# KiCad board Lime_RFE_fab.kicad_pcb (continued)
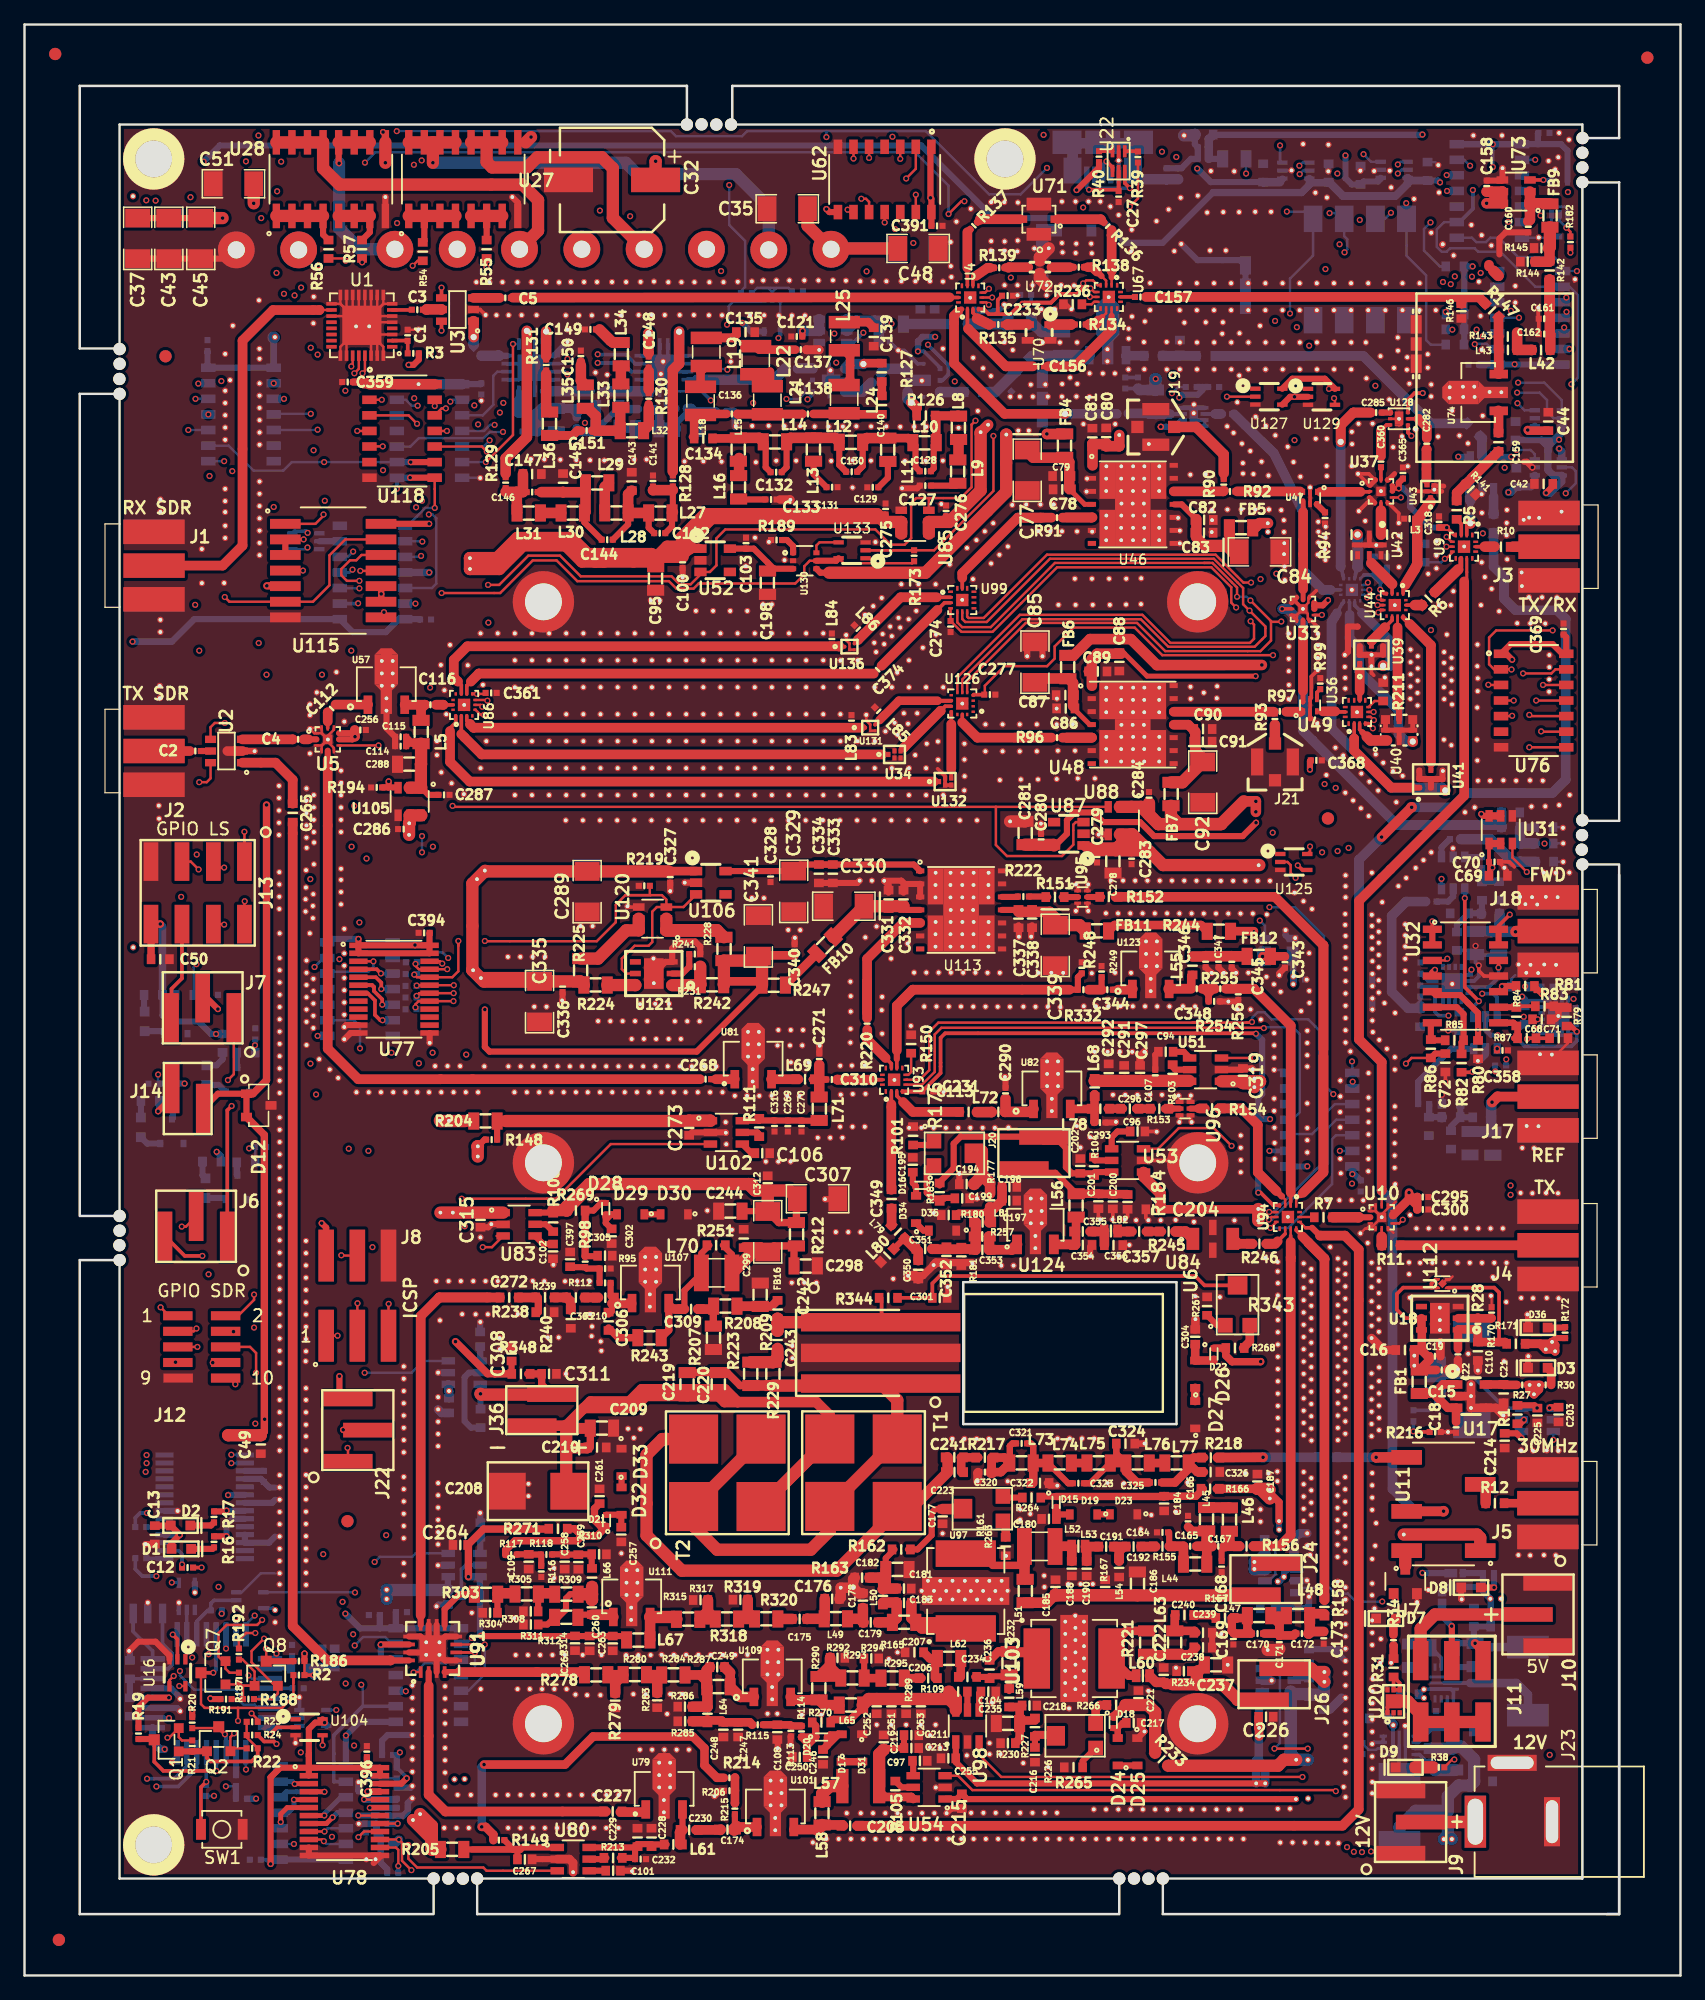
[diagram p0: board, top side]
## Routing (per net, layer and track width the routed paths; a pad name or vN(x,y) marks a point on that pad's centre or on a via; arc(x,y) is an arc through that point) (continued)
  SIG2 w0.2: v1(9.95,42.41) 9.92,42.44 v1(9.92,144.67)
  B w0.2: U13.15 16.88,42.42 v1(16.86,42.44)
VCOM: length 50
  T w0.5: 63.84,142.6 J16.8 71.14,140.69 C48.1 ; v1(41.29,149.83) 40.86,149.4 U27.9 ; v1(29.23,150.24) 29.42,150.05 U28.9 v1(29.42,147.73) ; C37.1 C43.1 C45.1
  T w1: 40.86,149.4 v1(41.29,149.83) ; v1(51.45,147.86) 51.45,147.86 C32.1 ; 65.82,140.75 J16.8 ; 65.82,140.75 J16.8 ; 65.82,140.75 C48.1 ; J16.8 63.84,142.6 C35.1 ; C51.1 v1(18.69,144.43) ; U28.9 v1(29.42,147.73) ; v1(16.15,143.23) C45.1
  SIG2 w0.5: 29.42,150.05 v1(29.23,150.24) 29.42,150.05 ; 29.42,150.05 v1(29.42,147.73)
  PWR w0.5: 41.32,149.02 41.29,149.04 v1(41.29,149.83)
  B w0.5: v1(16.15,143.23) C41.1 C37.1
  B w1: J16.8 65.82,140.75 C47.1
Net-(C1-Pad1): length 2.3
  T w0.3: R3.2 31.24,133.24 29.98,133.24 U1.2
Net-(C2-Pad1): length 0.8
  T w0.5: C2.1 U2.5
Net-(C2-Pad2): length 2.9
  T w0.79: C2.2 J2.1
Net-(C3-Pad1): length 2.8
  T w0.3: C3.1 33.98,135.76 U3.5
  T w0.86: U3.5 33.98,135.78 32.78,135.78 32.76,135.76
Net-(C3-Pad2): length 1.6
  T w0.3: U1.7 31.55,135.74 C3.2
Net-(C4-Pad1): length 1
  T w0.5: 23.14,100.74 U5.2
  T w0.79: C4.1 23.14,100.74
Net-(C4-Pad2): length 4.1
  T w0.79: C4.2 21.85,100.74 U2.3
Net-(C5-Pad1): length 36.3
  T w0.3: 75.41,136.76 75.42,136.75 U4.13
  T w0.79: 75.41,136.76 39.8,136.74
Net-(C5-Pad2): length 2.2
  T w0.79: U3.3 C5.2
Net-(C6-Pad1): length 2
  T w0.3: 117.58,118.31 117.58,118.31 117.58,117.4
  T w0.86: TRANS_VIA#8.1 117.86,118.33
  B w0.5: C6.1 TRANS_VIA#8.1
  B w0.86: 117.86,118.75 TRANS_VIA#8.1
Net-(C6-Pad2): length 2.2
  B w0.5: C6.2 U8.3
  B w0.86: 117.86,120.2 U8.3
Net-(C9-Pad2): length 1.8
  B w0.3: U12.20 C9.2
Net-(C12-Pad2): length 2.6
  T w0.3: C12.2 12.85,33.25 v1(12.85,33.5)
  B w0.3: v1(12.85,33.5) 12.85,34.32 12.55,34.62 U13.2
Net-(C14-Pad1): length 1.6
  B w0.5: U13.17 C14.1
Net-(C17-Pad1): length 1
  B w0.3: C17.1 115.99,21.55 U19.9
Net-(C18-Pad1): length 6.8
  T w0.7: 114.88,47.42 113.72,47.42 FB1.2 ; 114.88,47.42 115.64,48.18 116.71,48.18 U17.1 ; 114.88,47.42 116.03,46.26 U17.3 116.71,46.24 C18.1
Net-(C21-Pad2): length 2.5
  T w0.7: R27.2 120.6,48.13 120.56,48.16 U17.5
Net-(C24-Pad1): length 2
  B w0.2: U21.9 110.31,18.5 110.2,18.39 109.57,18.39 109.08,18.88 C24.1
Net-(C26-Pad2): length 17.4
  B w0.3: U21.6 113.37,18.5 R32.1 ; 116.44,18.5 R36.2
  B w1: C26.2 118.18,17.6 117.12,18.65 R36.2 116.44,18.5 R32.1 ; C26.2 117.84,15.48 ; C26.2 117.84,15.48 ; 117.84,15.48 116.91,15.48 116.03,14.6 R37.2 113.42,13.42 112.1,12.1 L2.1
Net-(C27-Pad1): length 21.9
  T w0.3: 89.09,145.54 C27.1 ; 89.09,145.54 C27.1 ; 89.09,145.54 v1(86.78,145.54) ; C27.1 U22.5 89.2,145.55
  SIG1 w0.2: v1(86.78,145.54) 87.5,146.25 98.98,146.25 v1(99.59,146.86)
  B w0.2: 86.6,145.72 v1(86.78,145.54) ; FB3.1 v1(99.59,146.86)
  B w0.3: v1(86.78,145.54) 86.6,145.72 CON1.1
Net-(C31-Pad1): length 14.7
  B w0.86: 85.44,147.02 85.44,148.87 84.99,149.32 90.81,149.32 90.36,148.87 90.36,147.02 91,146.38 C31.1 R41.1
Net-(C52-Pad1): length 3.5
  B w0.5: R70.1 117.05,69.94 R67.2 ; R73.1 116.3,69.21 C52.1
Net-(C53-Pad1): length 3.6
  B w0.6: R71.1 123.11,93.59 R68.2
  B w0.86: 121.93,93.46 R74.1 121.93,92.26 C53.1
Net-(C54-Pad1): length 4.1
  B w0.5: C54.1 116.78,85.61 R72.1 118.78,86.56 118.82,86.6 R75.1
  B w0.86: 118.73,86.56 R69.2
Net-(C55-Pad1): length 2.1
  B w0.5: R73.2 114.55,69.95 114.52,69.98 C58.1
Net-(C56-Pad1): length 6.8
  B w0.86: C59.1 119.48,92.61 121.33,90.76 R74.2 121.93,90.77 C56.1
Net-(C57-Pad1): length 2.5
  B w0.5: 118.83,89.15 118.83,89.14 C60.1 ; 118.83,89.15 R75.2 ; 118.83,89.15 C57.1
Net-(C58-Pad2): length 7.5
  B w0.5: U30.3 116.31,75.53 113.62,72.83 C58.2
Net-(C59-Pad2): length 1.7
  B w0.5: C59.2 116.19,92.61 115.52,91.93 U29.1
Net-(C60-Pad2): length 1.4
  B w0.5: U29.3 117.44,91.14 C60.2
Net-(C61-Pad1): length 4.6
  B w0.3: 116.06,87.52 116.47,87.93 U29.5
  B w0.4: 116.06,87.52 116.47,87.93 U29.5
  B w0.5: U29.5 116.47,87.93 116.06,87.52 C61.1
Net-(C61-Pad2): length 13.5
  B w0.3: C63.1 113.78,79.78 R76.1
  B w0.79: C61.2 112.63,87.52 111.46,86.36 111.46,80.16 112.79,78.83 R76.1
  B w0.86: R76.1 113.78,79.01
Net-(C62-Pad1): length 5
  SIG2 w0.5: v1(120.11,76.63) 120.8,75.95 v1(120.8,74.66)
  B w0.3: v1(120.8,74.66) 120.79,74.66 C62.1
  B w0.4: v1(120.11,76.63) 119.54,76.63 119.1,77.06 U30.5
Net-(C62-Pad2): length 18.3
  T w0.2: v1(122.34,80.6) 122.34,80.61
  SIG1 w0.2: 125.86,79.07 125.86,78.24
  SIG1 w0.3: 125.86,79.07 124.33,80.6 v1(122.34,80.6) ; 125.86,79.07 125.86,78.24 ; 125.86,79.07 125.86,74.84 124.7,73.68 v1(119.9,73.68)
  B w0.2: C65.1 123.66,80.59 R77.1 122.35,80.59 v1(122.34,80.6) ; v1(119.9,73.68) 119.89,73.69 C62.2
Net-(C63-Pad2): length 1.3
  B w0.3: C63.2 113.93,80.55 IC1.2
Net-(C64-Pad2): length 1.4
  B w0.3: C64.2 114.4,81.05 IC1.3
Net-(C65-Pad2): length 1.1
  B w0.2: C65.2 124.83,80.33 IC2.2
Net-(C66-Pad2): length 1.1
  B w0.2: C66.2 125.33,80.45 IC2.3
Net-(C67-Pad2): length 1
  B w0.3: C67.2 116.64,78.84 IC1.14
Net-(C68-Pad2): length 0.7
  T w0.2: C68.2 v1(123.36,77.93)
  B w0.2: v1(123.36,77.93) 123.36,77.93 IC2.14
Net-(C73-Pad2): length 1.4
  B w0.3: U45.2 97.07,127.26
  B w0.79: 97.07,127.26 C73.2
Net-(C76-Pad1): length 4.6
  B w0.3: 90.18,127.26 90.1,127.34 ; U45.7 93.4,127.26 93.39,127.25
  B w0.5: C76.1 89.99,127.31
  B w0.79: 89.99,127.31 L4.2 ; 92.26,127.25 93.39,127.25
  B w0.86: L4.2 92.26,127.25
Net-(C77-Pad1): length 10.3
  T w0.4: 85.17,121.15 86.43,119.89 87.07,119.89
  T w0.5: FB4.2 85.31,123.21 C79.1
  T w0.86: 81.62,124.3 82.23,123.7 84.8,123.7 85.17,123.34 85.17,121.15
Net-(C82-Pad1): length 12.5
  T w0.5: 95.54,118.69 94.34,119.89 93.74,119.89
  T w0.7: FB5.2 98.22,116.69 99.03,115.88 98.4,116.51 98.07,116.51
  T w0.86: 95.54,118.69 95.54,117.19 96.21,116.51 96.35,116.51 ; 98.24,118.03 98.24,116.73
  T w1: 98.71,115.87 98.07,116.51 96.35,116.51
Net-(C85-Pad1): length 10.8
  T w0.2: 86.84,101.94 85.43,103.35
  T w0.4: 85.43,103.35 86.84,101.94 87.07,101.94
  T w0.5: FB6.2 85.6,105.13 C87.1
  T w0.86: 82.64,105.42 82.91,105.7 85.11,105.7 85.48,105.34 85.48,103.46
Net-(C90-Pad1): length 10.1
  T w0.5: C92.1 95.31,99.64 C91.1
  T w0.79: 95.45,101.36 94.88,101.93 93.69,101.93
  T w0.86: 96.42,98.87 95.45,99.83 95.45,101.36
  T w1: C92.1 94.39,97.24 FB7.2
Net-(C93-Pad1): length 1.3
  B w0.5: C93.1 100.74,31.23
Net-(C94-Pad1): length 1.5
  T w0.5: C94.1 94.51,75.28 94.99,74.8
Net-(C96-Pad1): length 2.6
  T w0.5: C96.1 89.1,68.79 88.63,68.31 U53.4
Net-(C97-Pad1): length 1.2
  T w0.5: C97.1 72.45,17.44 U54.4
Net-(C98-Pad1): length 1.5
  B w0.5: C98.1 104.33,25.01 U55.4 103.59,25.08
Net-(C99-Pad1): length 1.2
  B w0.5: 37.15,51.15 37.2,51.2 ; C99.1 37.15,51.25 U56.4
Net-(C101-Pad1): length 1.4
  T w0.5: U80.4 46.04,8.54 C101.1
Net-(C102-Pad1): length 1.7
  T w0.5: C102.1 42.28,59.61 U83.4
Net-(C103-Pad1): length 5.8
  T w0.5: U130.3 61.08,114.65 59.45,116.28 C103.1 58.82,116.29 U52.5
Net-(C104-Pad1): length 1.8
  T w0.5: 77.82,22.98 C104.1 77.82,22.98 ; 77.82,22.98 U98.4
Net-(C105-Pad1): length 1.3
  B w0.5: U100.4 37.16,34.42 C105.1
Net-(C106-Pad1): length 1.3
  T w0.5: U102.4 59.26,67.02 C106.1
Net-(C107-Pad1): length 10.4
  T w0.5: C107.1 92.13,72.97 C297.1
  T w0.6: 93.6,72.94 93.66,72.87 U51.6
  T w1: 94.95,72.91 87.25,72.91 87.24,72.91
Net-(C108-Pad1): length 4.3
  T w0.5: C108.1 61.42,20.38 R113.2 62.52,20.33
  T w0.6: R115.2 C108.1 62.42,20.43 R113.2 62.52,20.33 R114.1
Net-(C109-Pad1): length 2.9
  T w0.5: R116.2 42.12,34.28 R118.2 41.12,34.31 C109.1 40.15,34.32 R117.1
Net-(C110-Pad1): length 15.1
  T w0.2: U112.1 U112.1
  T w0.3: U112.1 119.81,56.06 120.21,55.66 120.21,51.62
  T w0.7: R171.2 120.69,51.62 C110.1 R28.2 116.93,52.66 U18.1 116.86,52.59 C22.1
Net-(C112-Pad2): length 2.6
  T w0.79: U57.1 27.98,103.58 C112.2
Net-(C114-Pad1): length 9.8
  T w0.5: U105.1 32.36,96.79 U105.1 ; U105.1 32.31,96.84 32.93,96.22 C287.1 ; 31.32,100.39 C114.1 C115.1 31.67,100.39 L5.1 31.32,100.39
  T w1: 32.31,96.84 C288.1 32.33,98.73 L5.1 ; U105.2 U105.1
Net-(C116-Pad1): length 3.1
  T w0.79: 32.62,103.54 C116.1 ; C116.1 32.33,103.25 L5.2 ; C116.1 U57.3
Net-(C117-Pad2): length 1.9
  T w0.86: U3.1 36.61,134.8 TRANS_VIA#14.1
  B w0.86: 36.62,132.92 36.61,132.92 TRANS_VIA#14.1
Net-(C118-Pad1): length 3.8
  B w0.5: 46.06,129.11 C118.1 ; U58.9 42.76,129.11
  B w0.86: 42.76,129.11 46.06,129.11
Net-(C118-Pad2): length 4.2
  B w0.5: C118.2 46.99,129.11 47.47,129.11 ; U59.4 50.65,129.11
  B w0.86: 50.65,129.11 47.47,129.11
Net-(C119-Pad1): length 9.8
  B w0.4: 61.12,130.06 62.04,130.98 C119.1 ; 54.85,130.06 54.04,130.06
  B w0.86: C119.1 62.04,130.98 61.12,130.06 54.85,130.06
Net-(C119-Pad2): length 1.2
  B w0.86: U61.6 63.05,130.97
Net-(C120-Pad1): length 2.3
  B w0.86: 69.81,130.58 70.18,130.95 U63.3
Net-(C120-Pad2): length 2.5
  B w0.86: 69.04,129.81 68.3,129.07 U61.3
Net-(C122-Pad1): length 1.5
  B w0.79: C122.1 89.82,132
  B w0.86: 89.82,132 89.82,132
Net-(C122-Pad2): length 4.2
  B w0.5: 94.1,132 R120.2
  B w0.79: C122.2 94.1,132 ; R119.1 92.79,131.99
  B w0.86: 92.79,131.99 C122.2
Net-(C123-Pad1): length 7
  B w0.4: FB8.2 69.29,135.04 68.5,135.04
  B w0.86: 67.04,134.09 67.81,134.86 69.3,134.86 69.58,134.58 FB8.2 69.65,134.48 C123.1 ; U65.1 U65.2
Net-(C124-Pad2): length 8.5
  B w0.2: C125.2 79.07,134.74 C124.2 77.9,134.59 R121.1
  B w0.86: 79.84,134.59 R121.1 79.99,134.59 L6.1
Net-(C126-Pad1): length 4.9
  B w0.79: R124.2 80.84,130.75 C126.1
  B w0.86: C126.1 80.85,130.75 79.14,129.04 R125.2
Net-(C126-Pad2): length 6.9
  B w0.86: U66.3 84.57,132.05 L7.2 ; 86.83,132 82.15,132
Net-(C127-Pad1): length 2.3
  T w0.5: L9.2 75.89,121.42 C127.1
Net-(C128-Pad1): length 10.4
  T w0.5: 68.24,125.08 68.39,125.22 ; L10.1 72.64,124.71 72.64,122.94 C128.1 ; 68.33,123 C130.2 68.33,123 ; 68.33,123 L12.2
  T w0.7: L10.1 72.05,125.3 L11.1
  T w0.86: L12.2 68.66,125.3 L11.1
Net-(C128-Pad2): length 9.2
  T w0.5: 74.17,124.97 74.39,125.18 ; L10.2 74.12,124.72 74.12,122.83 C128.2
  T w0.7: 74.33,127.03 R126.1 ; 74.33,127.03 R126.1 ; 74.33,127.03 L10.2 74.23,125.02 ; R126.1 74.27,127.09 L8.1 76.11,127.12 R126.1
  T w0.86: 76.11,127.12 L8.1
Net-(C129-Pad1): length 2.4
  T w0.5: C129.1 70.38,122.06 L11.2
Net-(C130-Pad1): length 10.8
  T w0.5: 62.08,125.15 62.19,125.25 ; 66.42,123.12 C130.1 66.42,123.12 ; 66.42,123.12 L12.1 ; C132.2 62.13,122.92 L14.2
  T w0.86: L14.2 62.45,125.32 L13.1 66.07,125.32 L12.1
Net-(C131-Pad1): length 2.6
  T w0.5: C131.1 64.32,122.35 L13.2
Net-(C132-Pad1): length 7.3
  T w0.5: 56.08,125.18 56.3,125.39 ; L14.1 60.42,124.8 60.42,122.92 C132.1
  T w0.7: L15.1 58.15,125.27 C134.2
  T w0.86: L14.1 59.9,125.32 L15.1
Net-(C133-Pad1): length 2.2
  T w0.5: C133.1 58.25,120.29 L16.2
Net-(C134-Pad1): length 4.9
  T w0.5: 54.58,125.2 54.39,125.39
  T w0.7: 54.59,127.02 54.84,127.26 ; C134.1 54.59,126.66 L18.1 55.19,127.26 C136.2
Net-(C135-Pad1): length 5
  T w0.5: 57.75,133.46 57.76,133.47
  T w0.7: 57.75,133.46 57.76,133.47 ; 57.75,133.46 58.03,133.74 C135.1 ; 57.75,133.46 L19.2 57.75,133.46
Net-(C136-Pad1): length 10.7
  T w0.7: 60.78,127.26 60.77,127.26 60.77,127.26 C136.1 58.14,127.23 L21.1 63.39,127.23 C138.2 60.78,127.26
  T w0.86: 60.7,127.26 60.71,127.28
Net-(C137-Pad1): length 3.3
  T w0.7: L22.2 59.89,132.5 C137.1
Net-(C138-Pad1): length 5.6
  T w0.7: C140.2 66.91,127.24 L24.1 66.76,127.26 C138.1
Net-(C139-Pad1): length 2.6
  T w0.7: L25.2 68.77,134.74 C139.1
Net-(C140-Pad1): length 1.2
  T w0.7: C140.1 69.89,129.89 R127.2
Net-(C141-Pad1): length 6.1
  T w0.5: 51.24,121.05 51.23,121.06 C141.1 ; R128.2 52.85,119.26 L27.2 52.79,118.1 C142.2
  T w0.86: 52.85,119.26 L27.2 ; 51.23,121.04 51.24,121.05 52.85,121.05
Net-(C142-Pad1): length 8.2
  T w0.5: L28.2 49.21,118.27 C144.2 ; L27.1 50.88,118 C142.1
  T w0.86: C143.1 49.21,120.72 L28.2 49.22,119.19 L27.1
Net-(C144-Pad1): length 10.9
  T w0.5: C144.1 45.65,118.42 L30.2 ; C145.1 41.84,120.9 C146.2
  T w0.86: L30.2 45.73,119.28 45.73,120.88 ; 45.73,120.88 L29.1 ; 45.73,120.88 43.92,120.88 C145.1 43.89,120.89 42.13,120.89
Net-(C146-Pad1): length 8
  T w0.5: 40.61,120.91 40.61,122.34 C147.1 40.63,121.19 C146.1 ; R129.1 39.22,120.91
  T w0.86: 40.13,120.91 40.61,120.91 40.63,120.89 C147.1 ; 40.13,120.91 40.13,119.21 L31.1 ; 40.13,120.91 39.22,120.91
Net-(C148-Pad1): length 5.5
  T w0.5: 50.88,126.32 L32.2
  T w0.7: 50.88,126.32 L32.2 50.88,126.32 ; 50.88,126.32 C148.1
  T w0.86: L32.2 50.88,126.32 50.88,127.75
Net-(C148-Pad2): length 3.6
  T w0.5: R130.2 C148.2
  T w0.86: 50.88,130.74 50.88,129.25
Net-(C149-Pad1): length 4.7
  T w0.5: C149.1 47.65,133.09 L34.2
  T w0.86: 46.88,134.15 47.95,133.09 L34.2
Net-(C150-Pad1): length 3.8
  T w0.7: L35.2 45.35,129.99 C150.1
  T w0.86: L35.2 45.35,129.99 45.35,131.22
Net-(C151-Pad1): length 5.2
  T w0.7: 44.68,125.51 45.07,125.9 ; 44.68,125.51 45.07,125.9 ; 44.68,125.51 L36.2 44.68,125.51 ; 45.07,125.9 C151.1
Net-(C151-Pad2): length 8.5
  T w0.7: L32.1 C151.2
  T w0.86: L33.1 48.56,127.75 L32.1 46.57,125.9 46.57,127.09 45.95,127.72 L35.1
Net-(C152-Pad1): length 10.8
  B w0.5: 54.34,127.71 53.02,126.39 L37.1
  B w0.7: L37.1 52.99,126.06 L38.2 51.72,127.34 51.4,127.66 C153.2
  B w0.79: 54.62,127.43 54.34,127.71 R132.2 ; 54.62,127.43 56.04,127.43 ; 54.62,127.43 C152.1
  B w1: L38.2 51.75,126.08 L37.1
Net-(C153-Pad1): length 9.2
  B w0.5: 46.41,125.8 46.56,125.95 ; 46.26,125.8 L39.1 46.75,126.11 48.35,127.71 L40.2 48.52,127.66 49.71,127.66 49.66,127.61 48.47,127.61
  B w0.7: L40.2 48.52,127.66 C153.1 ; L39.1 46.26,125.8 45.13,125.8 45.01,125.92 C154.2
Net-(C154-Pad1): length 12.8
  B w0.5: 45.42,127.71 45.01,127.3 ; 42.2,127.72 41.83,127.35 R133.1
  B w0.7: 45.42,127.71 45.01,127.3 44.6,127.72 L41.1 46.55,127.72 L40.1 45.42,127.71 ; 45.42,127.71 45.02,127.71 45.01,127.72 C154.1 ; C155.1 41.8,125.83
  B w0.86: 41.8,125.83 41.8,127.32 42.2,127.72 L41.1
Net-(C156-Pad2): length 19.4
  T w0.2: 88.62,134.13 85.64,131.14 85.64,131.08 85.7,131.14 85.72,131.14 C156.2 ; U67.10 88.62,135.25
  T w0.5: 88.62,134.13 85.64,131.14 ; 88.62,135.25 88.62,134.75
  T w0.79: 83.44,131.14 85.64,131.14 88.62,134.13 88.62,134.75
Net-(C157-Pad1): length 1.2
  T w0.3: U67.13 C157.1
Net-(C159-Pad1): length 1.8
  T w0.79: C159.1 120.16,127.51
  T w0.86: 120.16,127.51 120.15,127.52
Net-(C160-Pad1): length 4.1
  T w0.86: FB9.2 124.31,144.43 U73.1 ; C160.1 122.73,143.1 U73.1 ; U73.1 U73.2
Net-(C161-Pad2): length 9
  T w0.86: C161.2 C162.2 124.38,133.73 L42.1 ; C161.2 124.34,136.29 124.33,136.31 R142.1 124.34,138.19 C161.2
Net-(C164-Pad1): length 3.8
  T w0.5: 94.48,34.98 94.48,34.98 ; 93.33,34.98 93.32,34.97 93.32,36.11
  T w0.79: 94.48,34.98 93.33,34.98 ; L44.2 94.48,34.98
Net-(C165-Pad1): length 5.9
  T w0.5: 96.39,34.59 96.78,34.98 ; 96.34,36.26 L45.2
  T w0.7: C166.1 95.18,36.23 L45.2
  T w0.79: L44.1 96.39,34.59 ; 95.57,34.98 96.78,34.98
  T w0.86: 96.78,34.98 96.37,35.39 L45.2
Net-(C167-Pad1): length 3.8
  T w0.5: 97.87,34.98 97.59,34.71 97.59,33.87
  T w0.79: 97.87,34.98 99.08,34.98
  T w0.86: 97.87,34.98 98.22,35.34 L46.1
Net-(C169-Pad1): length 5.6
  T w0.7: 98.42,28.1 98.65,27.86 99.97,27.86 99.69,28.14 L47.2 99.5,29.13 98.42,29.13 98.42,28.1
Net-(C170-Pad1): length 7.7
  T w0.7: 102.3,27.71 102.14,27.86 101.06,27.86 ; 102.3,27.71 103.44,27.71 103.59,27.86 ; 102.3,27.71 102.3,28.63 L47.1 L48.2 102.81,29.33 102.3,28.81 102.3,27.71
Net-(C172-Pad1): length 4.1
  T w0.79: 105.97,29.49 104.93,29.49 ; 105.92,28.03 104.85,28.03
  T w0.86: 104.93,29.49 L48.1 104.77,27.95 104.68,27.86 104.85,28.03
Net-(C174-Pad1): length 3.3
  T w0.5: 57.85,11.89 57.91,11.95 R215.1
  T w0.79: U101.1 58.06,12.1
  T w1: 58.06,12.1 57.85,11.89 57.91,11.95
Net-(C175-Pad1): length 3.1
  T w0.86: C175.1 63.8,29.07 L49.2 65.24,29.11 C176.1
Net-(C177-Pad2): length 6.9
  T w0.5: 72.02,34.72 72.79,34.72 73.95,35.88 73.95,37.71 74.25,38.01 C177.2
  T w0.86: R161.2 76.48,38.01 C177.2
Net-(C178-Pad1): length 2.6
  T w0.86: L49.1 68.1,29.07 C179.2 68.34,28.82 C178.1
Net-(C179-Pad1): length 4
  T w0.86: 69.98,30.39 71.08,30.39 C183.2 71.1,29.12 R165.2 C179.1
Net-(C180-Pad1): length 2.8
  T w0.5: D19.2 84.28,37.57 84.1,37.39 D15.2
  T w0.7: D15.2 84.12,38.07 C180.1
Net-(C181-Pad1): length 6.3
  T w0.5: C182.2 70.21,34.01 70.93,34.72
  T w0.86: 70.21,31.92 69.71,32.42 R163.2 ; 70.21,31.92 70.21,31.72 69.98,31.48 70.02,31.53 C181.1 ; 70.21,31.92 C182.2
Net-(C183-Pad1): length 10.3
  T w0.86: R165.1 73.16,28.28 U97.1 76.24,28.78 R165.1 ; R165.1 72.3,29.14 C183.1
Net-(C184-Pad1): length 13.6
  T w0.5: R264.2 82.94,39.04 D15.1 84.1,39.04 ; 83.97,39.03 83.98,39.04
  T w0.6: 96.11,39.66 95.51,39.06 C184.1 ; D15.1 92.88,39.04
  T w0.7: 92.88,39.04 C184.1
Net-(C185-Pad2): length 35.6
  T w0.5: C186.1 90.79,31.04 100.42,31.04
  T w0.86: C186.1 90.65,31.06 R167.1 C185.2 83.37,30.38 L51.1
  T w1: 100.42,31.04 100.36,30.98 C186.1 84.13,30.98 C185.2
Net-(C187-Pad1): length 33.2
  T w0.6: GND_VIA#255.1 102.27,38.57 101.18,39.66 97.2,39.66
  T w0.7: C187.1 100.51,39.66 97.2,39.66
  T w1: GND_VIA#631.1 101.42,39.66 C187.1 100.73,39.66 GND_VIA#632.1
  PWR w0.5: GND_VIA#252.1 100.26,35.02 GND_VIA#255.1 102.27,36.34 GND_VIA#254.1 ; GND_VIA#252.1 100.26,34.31 100.79,34.84 ; GND_VIA#252.1 GND_VIA#253.1 100.56,33.43 ; 100.79,34.84 100.79,33.66 100.56,33.43 ; 100.79,34.84 GND_VIA#254.1 ; 100.56,33.43 100.56,35.01 101.89,36.33 GND_VIA#254.1
  B w0.5: 101.1,34.25 101.12,34.23 U50.6 ; GND_VIA#255.1 102.28,37.02 GND_VIA#254.1 ; 101.52,39.56 GND_VIA#631.1
  B w1: 100.56,33.7 101.1,34.25 ; 100.56,33.7 101.1,34.25 ; 100.56,33.7 GND_VIA#252.1 ; 101.1,34.25 101.1,33.12 U50.6 100.29,33.1 GND_VIA#253.1
Net-(C188-Pad1): length 2.6
  T w0.5: 84.03,34.98 L52.1 ; 85.38,34.98 L53.2
  T w0.79: C188.1 85.38,34.98 ; L53.2 84.03,34.98
Net-(C189-Pad2): length 2.8
  B w0.3: C189.2 21.81,25.1 FB2.1 20.02,25.01 U12.18
Net-(C190-Pad1): length 2.4
  T w0.5: 86.49,34.95 L53.1 86.59,34.85
  T w0.79: C191.2 86.49,34.95 ; C190.1 86.59,34.85
Net-(C191-Pad1): length 3.8
  T w0.5: 89.24,33.77 89.24,34.5 C191.1 ; 89.24,34.38 C192.2 89.81,34.95
  T w0.79: 89.81,34.95 C191.1 ; 89.24,33.77 89.24,34.38
Net-(C194-Pad2): length 9.8
  T w0.5: C194.2 77.79,64.89 78.6,64.89 ; 78.58,63.78 78.6,63.79 ; 78.72,64.59 78.05,65.26
  T w0.86: 78.05,65.26 78.72,64.59 78.72,63.72
  T w1: 78.63,64.67 78.05,65.26 78.05,67.18 78.05,65.14 C194.2
Net-(C195-Pad1): length 2
  T w0.5: C195.1 72.42,64.58 D16.2 72.68,64.32 D34.2
Net-(C196-Pad1): length 12.4
  T w0.5: 78.08,62.16 78.25,62.16 78.72,62.63 78.65,62.57 78.65,61.38 ; 78.08,62.16 76.13,62.16 ; 78.08,62.16 76.13,62.16 R180.2 ; R177.2 79.02,62.43 79.76,63.17 79.76,64.27
  T w0.79: R177.2 78.96,62.43 C197.1 79.69,63.16 C196.1
  T w0.86: 78.65,61.38 78.72,61.44 78.72,62.63
Net-(C199-Pad1): length 4.6
  T w0.5: 75,63.34 74.99,63.32 74.02,63.32 73.55,63.79 D16.1 73.55,65.77 ; C199.1 75.81,63.37 74.85,63.37
Net-(C200-Pad2): length 11.7
  T w0.5: 87.53,63.71 87.56,63.67 89.9,63.67 R184.1 ; 88.65,63.74 C200.2 88.7,63.7 ; L56.1 84.03,65.42 81.49,65.42
  T w0.7: R184.1 89.9,63.67 C200.2 88.7,63.7 C201.2 87.53,63.71 L56.1
Net-(C202-Pad1): length 19.2
  T w0.5: 74.6,64.38 74.6,64.65 75.75,65.8 75.75,67.79 76.32,68.36 82.69,68.36 83.09,67.96 84.38,67.96 84.9,67.44 84.9,65.87 85.4,65.37 C202.1 87.16,65.37 87.26,65.48 U53.6
Net-(C205-Pad2): length 4.2
  T w0.79: 66.76,12.2 66.7,12.26 L58.2 ; 62.71,11.89 64.65,11.89
  T w1: 64.65,11.89 L58.2
Net-(C206-Pad1): length 3
  T w0.7: 74.22,24.23 74.22,25.63 L62.2 73.8,25.83 C207.1
Net-(C208-Pad1): length 88.9
  T w0.5: 65.65,45.63 64.57,46.71 57.1,46.71 C220.2 ; 44.16,39.64 44.16,43.08 ; 44.16,43.08 46.08,43.08 46.12,43.03 ; 44.16,43.08 44.16,44.4 ; 44.16,44.4 45.92,44.4 C209.2 ; 44.16,44.4 44.16,44.8 ; 55.58,47.21 54.04,47.21
  T w0.6: C209.2 46.12,44.6 46.12,43.03
  T w0.86: 54.04,47.21 C219.2 ; C219.2 C220.2 57.07,46.73 58.13,46.73 ; C219.2 50.66,47.23 49.67,46.25 45.61,46.25 45.56,46.2 ; 58.13,46.73 64.55,46.73 65.65,45.63 T1.2 60.14,38.22 T2.2 ; 58.13,46.73 57.09,47.77 50.31,47.77 49.32,46.78 46.14,46.78 45.56,46.2 ; 45.56,46.2 44.16,44.8 ; 44.36,44.6 44.16,44.8 ; 44.36,44.6 44.16,44.8 ; 44.36,44.6 C209.2 ; 44.16,44.8 J36.1 ; C210.2 45.86,42.97 44.16,42.97
  T w1: T2.2 65.55,43.72 T1.2 ; 44.16,44.8 44.16,39.64 44.4,39.4
Net-(C211-Pad2): length 9.9
  T w0.5: C212.2 70.17,18.53 C213.1 C211.2 ; L57.1 69.67,16.03
  T w0.7: U54.6 72.28,14.55 70.14,14.55 69.67,15.02 L57.1
  T w1: C212.2 69.67,18.03 L57.1
Net-(C214-Pad1): length 2.1
  T w0.5: v1(122.04,43.78) 121.64,44.18 C214.1
  B w0.5: v1(122.04,43.78) 122.04,43.79 U110.4
Net-(C216-Pad2): length 4.6
  T w0.5: 82.37,19.69 82.53,19.53 R226.2 83.92,19.69 82.37,19.69 ; 82.37,19.69 C216.2
Net-(C217-Pad1): length 3
  T w0.5: 89.25,19.47 D24.2 ; D24.2 89.12,20.13 ; D24.2 89.12,20.13 ; 89.1,20.16 89.12,20.13 ; 89.1,20.16 89.52,20.58 C217.1 ; 89.1,20.16 D18.2
Net-(C218-Pad1): length 5.5
  T w0.7: C235.1 81.37,20.78 82.37,20.78 ; C235.1 81.13,21.78 ; C235.1 81.13,19.28 R230.2 ; C218.1 81.21,21.88 L59.1
Net-(C219-Pad1): length 55.9
  T w0.5: 61.02,48.08 R229.2 ; 69.64,48.07 U6.3
  T w0.6: R223.2 58.34,48.08 57.28,49.13 C220.1 C219.1
  T w0.7: 69.64,48.07 U6.3
  T w0.86: 69.64,48.07 U6.3 ; R229.2 61.02,48.08 R223.2
  T w1: U6.3 71.15,46.89 T1.1 T1.3 65.65,36.26 64.09,34.7 56.47,34.7 54.55,36.62 T2.1 T2.3 ; U6.3 69.64,48.07 R229.2 ; U6.3 72.01,48.24
Net-(C221-Pad1): length 11.2
  T w0.5: 91.95,20.7 92.17,20.48
  T w0.7: D18.1 88.81,21.11 R266.2 90.89,22.04
  T w0.79: 92.17,20.68 92.17,21.45 91.61,22.01 C221.1
  T w1: R233.1 92.17,21.46 91.58,22.04 R266.2
Net-(C222-Pad2): length 15.3
  T w0.5: 95.67,24.8 R234.1
  T w0.7: R234.1 95.67,24.8 C237.2
  T w0.79: 93.59,23.73 93.03,23.73 C222.2 92.26,23.89 L60.1
  T w1: 98.92,22.46 98.89,22.46 ; 98.92,22.46 J26.1 98.92,22.46 ; 98.92,22.46 97.66,23.73 95.57,23.73 ; 95.57,23.73 95.57,24.7 95.67,24.8 ; 95.57,23.73 93.59,23.73
Net-(C223-Pad2): length 41.4
  T w0.86: 75.27,41.02 72.47,38.22 T1.4 ; 75.25,42.22 75.25,41.04
  T w1: T2.4 52,43.72 50.71,42.43 50.71,35.87 53.59,32.99 66.22,32.99 71.15,37.92 T1.4
Net-(C224-Pad1): length 27.6
  T w1: 104.9,25 GND_VIA#229.1 ; 104.9,25 105.17,24.73 GND_VIA#230.1 ; 104.9,25 J26.2 ; R233.2 102.18,17.09 102.67,17.58 GND_VIA#226.1
  B w1: 103.22,18.03 GND_VIA#226.1 ; 103.22,18.03 GND_VIA#226.1 ; 103.22,18.03 103.22,23.13 103.42,22.94 104.72,22.94 104.78,22.88 C224.1 105.92,23.88 GND_VIA#229.1 GND_VIA#230.1 ; GND_VIA#226.1 104.62,17.58 GND_VIA#225.1
Net-(C227-Pad1): length 2.2
  T w0.5: 50.44,13.32 U79.1
  T w0.79: 48.58,13.32 50.44,13.32
Net-(C228-Pad1): length 9.1
  T w0.5: 49.97,10.7 51.12,10.7 51.14,10.68 52.35,10.68 ; 49.97,10.7 49.95,10.68 ; 49.97,10.7 49.77,10.5 C232.1 49.67,9.58 48.53,9.58 ; 49.97,10.7 49.7,10.43 U80.6
Net-(C230-Pad2): length 2.9
  T w0.5: 53.64,11.86 U79.3
  T w0.86: 53.64,11.86 53.44,11.66 53.44,10.68
Net-(C231-Pad1): length 1.2
  T w0.5: 78.82,70.36 78.84,70.38
  T w0.86: 78.84,70.38 78.82,70.36 77.64,70.36
Net-(C234-Pad1): length 4.1
  T w0.5: 77.42,24.33 78.62,24.33 78.67,24.39 80.27,24.39 80.27,24.38 80.27,23.18
Net-(C234-Pad2): length 1.5
  T w0.7: 76.33,24.33 76.33,25.83 L62.1
Net-(C236-Pad1): length 6.8
  T w0.7: C236.1 79.39,26.4 R232.1 81.95,26.4 U103.1 82.07,26.28 80.27,26.28
Net-(C238-Pad1): length 4.3
  T w0.7: 95.53,26.73 94.97,26.18 L63.2 R221.1
Net-(C239-Pad1): length 4.1
  T w0.5: L63.1 93.77,29.08
  T w0.7: 95.53,27.93 95.37,28.08 L63.1 93.77,29.33 C240.2
Net-(C242-Pad1): length 27.7
  T w0.3: U6.1 69.87,53.31 69.87,55.23
  T w0.5: 61.6,53.24 61.4,53.44
  T w0.7: 66.77,53.24 U6.1 65.58,53.24
  T w0.79: U6.1 61.6,53.24
  T w0.86: 61.6,53.24 61.4,53.44
  T w1: C243.2 61.39,52.55 C242.1 61.39,53.24 U6.1
Net-(C242-Pad2): length 3.3
  T w0.7: C242.2 60.89,54.53 R209.2
  T w0.79: R208.1 59.78,54.55
Net-(C243-Pad1): length 4.4
  T w0.5: 61.4,50.35 R229.1 61.02,49.98
  T w0.79: 61.4,51.18 61.4,50.35
  T w1: R223.1 61.02,49.98 R229.1 61.38,50.34 C243.1
Net-(C244-Pad1): length 56.2
  T w0.5: 60.46,63.85 C312.1 60.47,63.85 ; 62.33,63.97 C307.1 ; FB16.1 60.56,62.29 C244.1 ; R108.2 43.05,62.17 U83.6
  T w0.6: C307.1 62.93,63.23 R212.2 61.49,61.36 FB16.1 ; 44.16,62.38 R269.2 44.16,62.38 ; 44.16,62.38 43.83,62.38 ; 42.91,62.17 43.11,62.38 43.83,62.38 ; 43.83,62.38 44.26,62.38 46.39,64.5 59.3,64.5 59.83,63.97
  T w0.86: 46.36,64.5 R269.2 ; 59.3,64.5 59.83,63.97 C312.1
  T w1: 59.02,64.5 59.55,63.97 C312.1 ; 59.02,64.5 46.03,64.5 44.2,62.67 R269.2 44.16,62.38 43.11,62.38 ; 59.02,64.5 59.3,64.5 ; C307.1 62.33,63.97 C312.1 ; FB16.1 C312.1
Net-(C246-Pad1): length 6.3
  T w0.5: D20.2 65.67,19.65 D17.2 ; 66.34,19.65 C246.1
  T w0.6: D20.2 65.45,18.76 C246.1 ; C246.1 66.34,19.65 D17.2 ; C246.1 65.1,18.42
Net-(C247-Pad1): length 5.5
  T w0.5: 59.12,20.63 R115.1 ; 56.82,20.79 C248.1
  T w0.7: R115.1 59.12,20.63 C247.1 C248.1 56.82,20.79 55.67,20.79
  T w0.86: 55.67,20.79 55.6,20.72 R285.2
Net-(C249-Pad1): length 4.1
  T w0.79: R287.1 57.53,24.68
  T w0.86: 57.53,24.68 C249.1 ; R287.1 58.36,22.7 U109.1
Net-(C249-Pad2): length 7.4
  T w0.79: 55.62,23.96 55.09,24.49 R284.1
  T w0.86: R287.2 55.67,23.48 55.67,21.88 55.65,21.9 R286.2 ; R287.2 55.62,23.96 ; R287.2 55.62,24.88 ; 55.62,24.88 C249.2 55.62,24.88
